# Altium PCB PCB SOM AM625.PcbDoc (part 2 of 6) (continued)
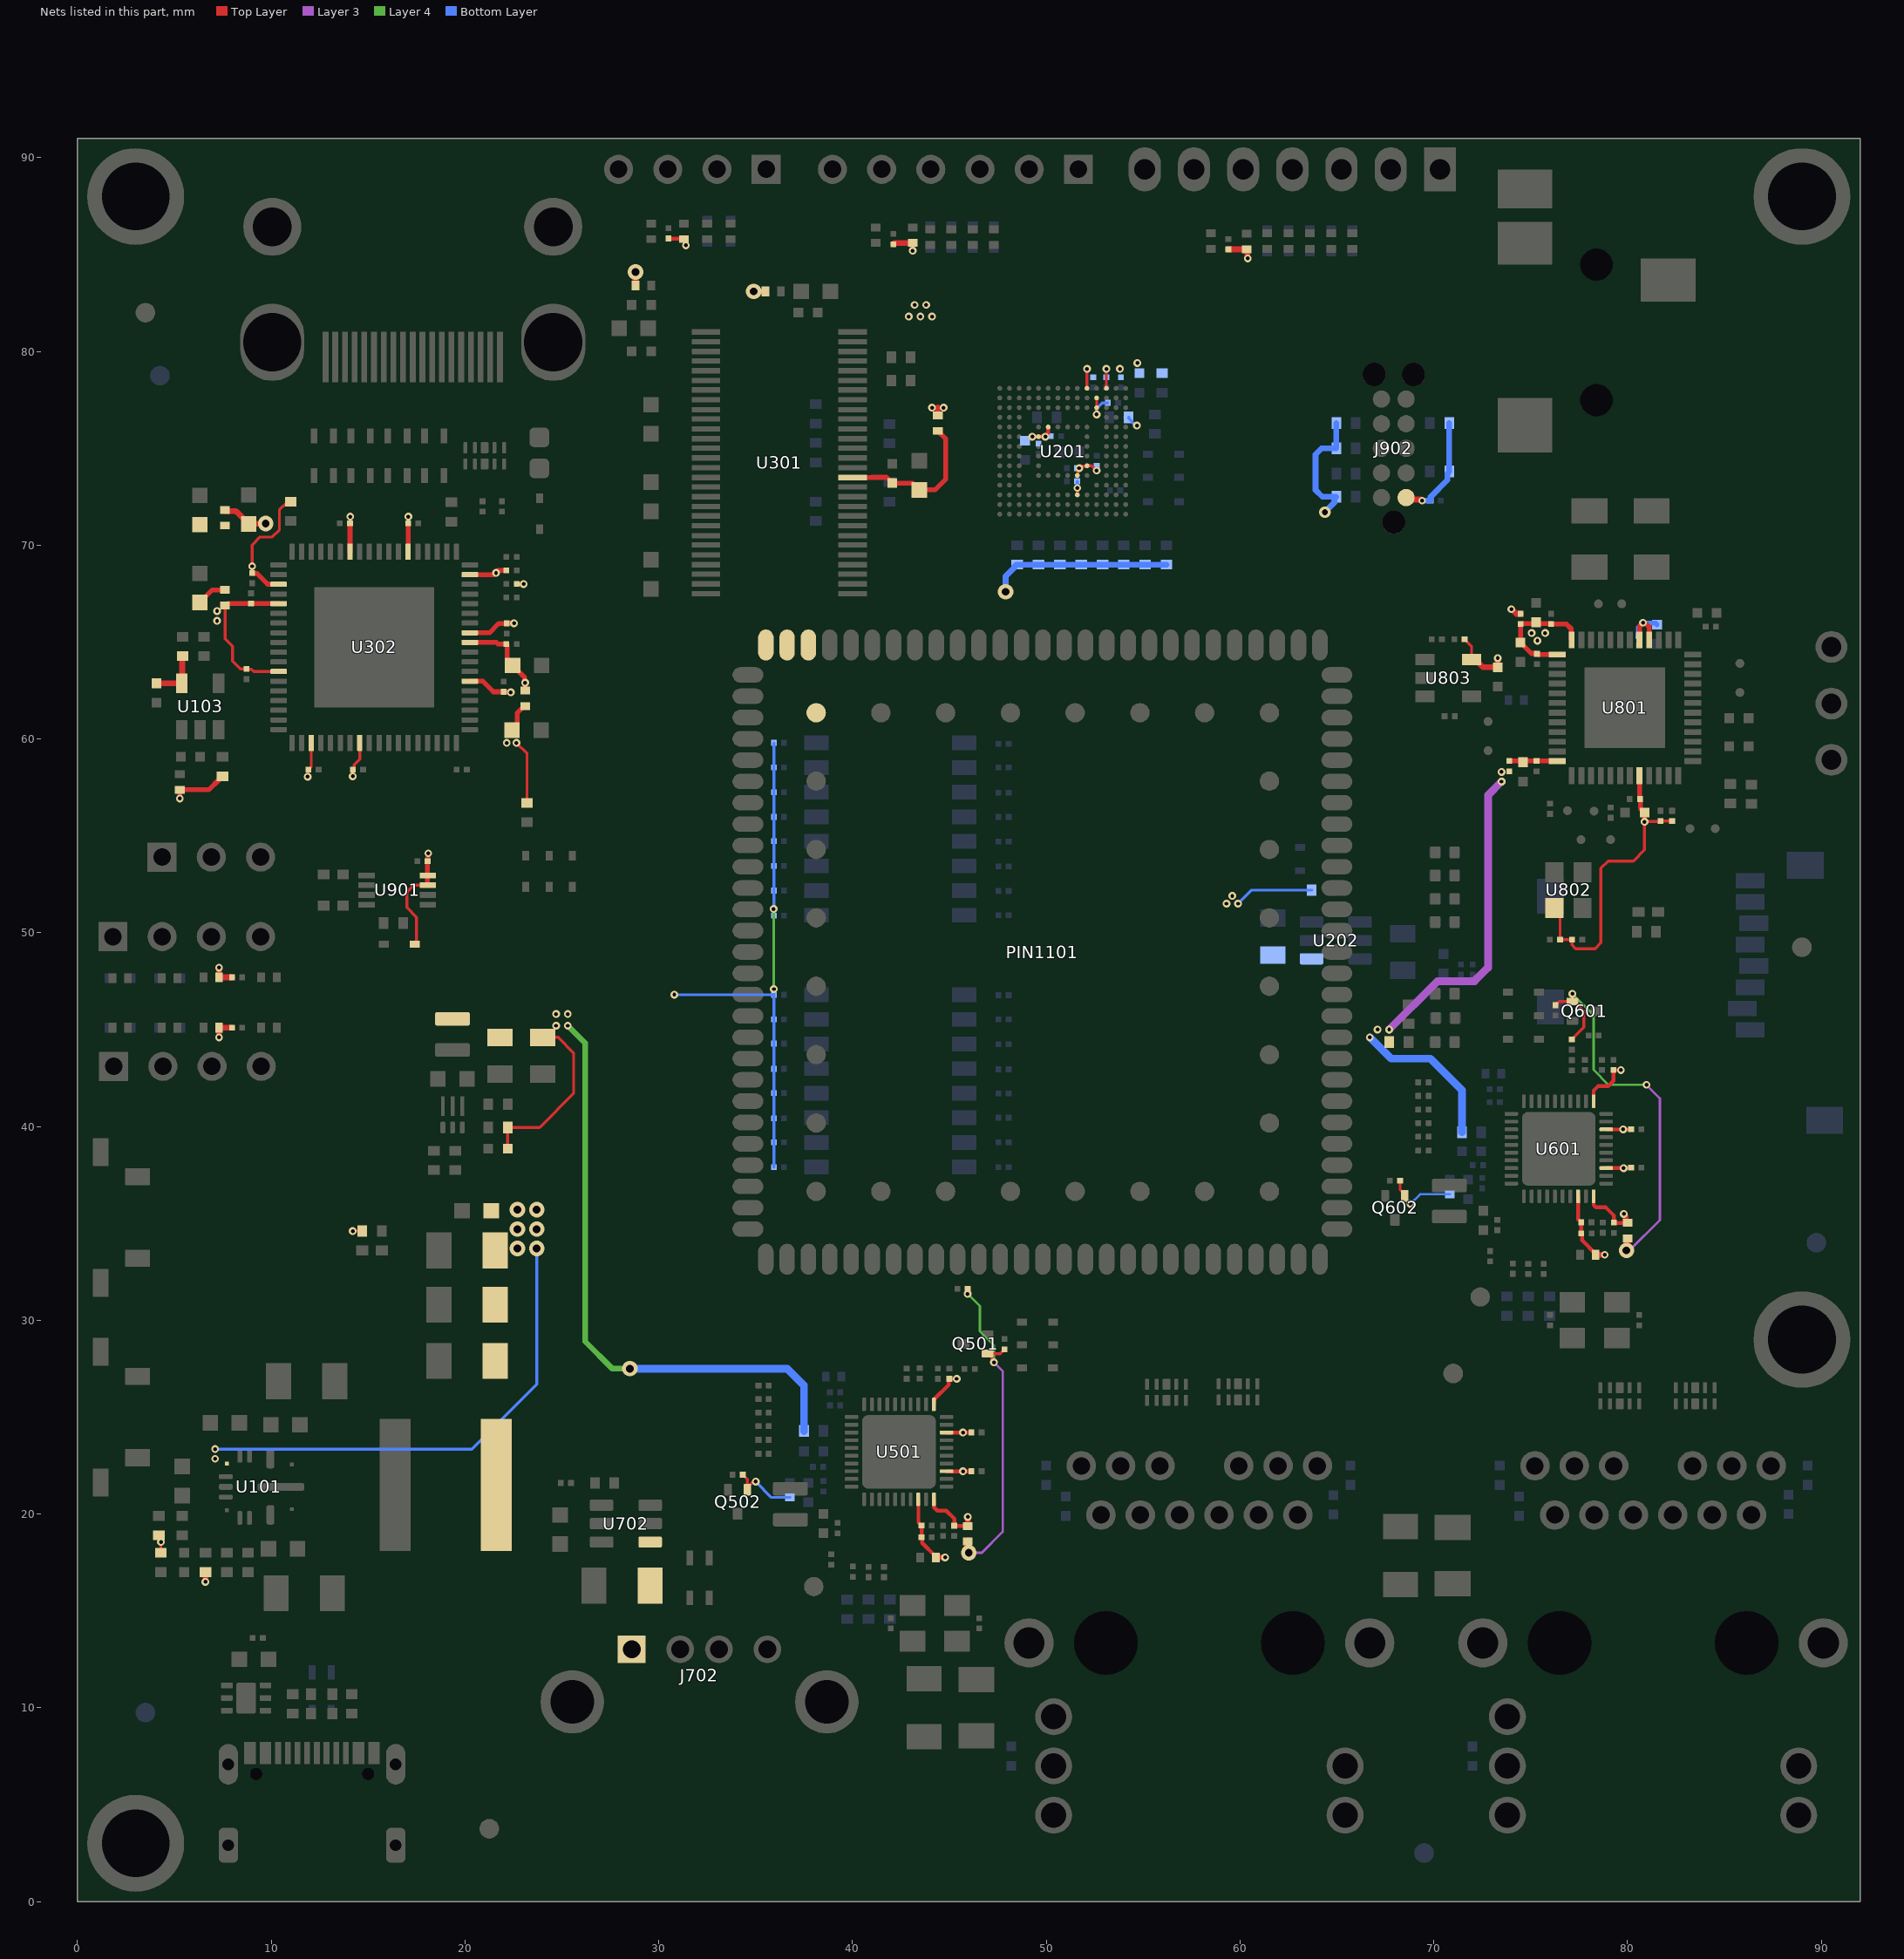
[diagram p6: the nets of this part, all layers, seen from the top]
## Part data (continued)
R520 R521 R524 R525 R620 R621 R624 R625: library part RC0201FR-0710KL, "SMD Chip Resistor, 10 kOhm, ± 1%, 50 mW, 0201 [0603 Metric], Thick Film, General Purpose", Case Code (Imperial)=0201, Case Code (Metric)=0603, Manufacturer=Yageo, Max Operating Temperature=125°C, Max Power Dissipation=50mW, Min Operating Temperature=-55°C, Package Quantity=10000, Resistance=10kR, Resistance Tolerance=1%, Resistor Type="Thick Film", Supplier Part Number 1=4031233, Temperature Coefficient=200ppm/°C, Voltage Rating=25V, Case/Package=0201, Category="Chip SMD Resistors", ComponentLink1Description=https://datasheet.ciiva.com/7660/1421516-7660807.pdf?src-supplier=Element14, ComponentLink1URL=https://datasheet.ciiva.com/7660/1421516-7660807.pdf?src-supplier=Element14, ComponentLink2Description=https://datasheet.ciiva.com/46391/1421516-46391339.pdf?src-supplier=Element14, ComponentLink2URL=https://datasheet.ciiva.com/46391/1421516-46391339.pdf?src-supplier=Element14, ComponentLink3Description=https://datasheet.ciiva.com/2467/pyu-r-int-thick-7-2467110.pdf?src-supplier=Digi-Key, ComponentLink3URL=https://datasheet.ciiva.com/2467/pyu-r-int-thick-7-2467110.pdf?src-supplier=Digi-Key, ComponentLink4Description=https://datasheet.ciiva.com/2467/pyu-r-int-thick-7-2467111.pdf?src-supplier=Digi-Key, ComponentLink4URL=https://datasheet.ciiva.com/2467/pyu-r-int-thick-7-2467111.pdf?src-supplier=Digi-Key, ComponentLink5Description=https://datasheet.ciiva.com/2467/pyu-r-int-thick-7-2467109.pdf?src-supplier=Digi-Key, ComponentLink5URL=https://datasheet.ciiva.com/2467/pyu-r-int-thick-7-2467109.pdf?src-supplier=Digi-Key, ComponentLink6Description=https://datasheet.ciiva.com/26829/getdatasheetpartid-421074-26829851.pdf?src-supplier=Verical, ComponentLink6URL=https://datasheet.ciiva.com/26829/getdatasheetpartid-421074-26829851.pdf?src-supplier=Verical, ComponentLink7Description=https://datasheet.ciiva.com/8891/pyu-rc0201-51-rohs-l-8-8891384.pdf?src-supplier=Avnet, ComponentLink7URL=https://datasheet.ciiva.com/8891/pyu-rc0201-51-rohs-l-8-8891384.pdf?src-supplier=Avnet, Construction=Rectangular, Contact Plating=Tin,Matte, Depth=0.3mm, Features="Moisture Resistant", Height=0.01inch, Length=0.6mm, Manufacturer Part Number=RC0201FR-0710KL, Military Standard=Not, Number of Terminations=2, Packaging="Tape and Reel", Power Rating=50mW, Pricing 1="10000=0.0014, 40000=0.0013, 200000=0.0013, 400000=0.0012, 1250000=0.0011 (USD)", Reach SVHC Compliant=No, RoHS=Yes, RoHS Compliant=Yes, Series=RC, Stock 1=32510000, Supplier 1="Future Electronics", Technology="THICK FILM", Termination=SMD/SMT, Tolerance=1%, Voltage Rating (DC)=25V, Weight=6E-06oz, Width=0.012inch, Working Voltage=25V
R701 R702: library part AC0402FR-075K1L, "SMD Chip Resistor, 5.1 kOhm, ± 1%, 63 mW, 0402 [1005 Metric], Thick Film, General Purpose", Case/Package=0402, Case Code (Metric)=1005, Manufacturer=Yageo, Max Operating Temperature=155°C, Max Power Dissipation=63mW, Min Operating Temperature=-55°C, Resistance=5.1kR, Supplier Part Number 1=8112408, Temperature Coefficient=100ppm/°C, Tolerance=1%, Voltage Rating=50V, Case Code (Imperial)=0402, Category="Chip SMD Resistors", ComponentLink1Description=https://datasheet.octopart.com/AC0402FR-075K1L-Yageo-datasheet-166720450.pdf?src-supplier=Future+Electronics, ComponentLink1URL=https://datasheet.octopart.com/AC0402FR-075K1L-Yageo-datasheet-166720450.pdf?src-supplier=Future+Electronics, ComponentLink2Description=http://www.yageo.com/documents/recent/PYu-AC_51_RoHS_L_2_revised.pdf?src-supplier=Future+Electronics, ComponentLink2URL=http://www.yageo.com/documents/recent/PYu-AC_51_RoHS_L_2_revised.pdf?src-supplier=Future+Electronics, Features="Moisture Resistant,Automotive AEC-Q200", Height=0.015inch, Lead Free=5697LeadFree, Length=0.039inch, Manufacturer Part Number=AC0402FR-075K1L, Mount="Surface Mount", Number of Terminations=2, Packaging="Cut Tape", Power Rating=63mW, Pricing 1="10000=0.0011, 50000=0.001, 200000=0.0009, 500000=0.0009, 1250000=0.0008 (USD)", RoHS=Yes, RoHS Compliant=Yes, Series=AC, Size Code=0402, Stock 1=10000, Supplier 1="Future Electronics", Width=0.02inch
R703: library part RC0402FR-071KL, "SMD Chip Resistor, 1 kOhm, ± 1%, 63 mW, 0402 [1005 Metric], Thick Film, General Purpose", Case/Package=0402, Case Code (Metric)=1005, Manufacturer=Yageo, Max Operating Temperature=155°C, Max Power Dissipation=63mW, Min Operating Temperature=-55°C, Power Rating=62.5mW, Resistance=1kR, Resistance Tolerance=1%, Resistor Type="Thick Film", Supplier Part Number 1=7825607, Temperature Coefficient=100ppm/°C, Voltage Rating=50V, Case Code (Imperial)=0402, Category="Chip SMD Resistors", ComponentLink1Description=https://datasheet.ciiva.com/11819/0900766b80c66297-11819477.pdf?src-supplier=Rs, ComponentLink1URL=https://datasheet.ciiva.com/11819/0900766b80c66297-11819477.pdf?src-supplier=Rs, ComponentLink2Description=https://datasheet.ciiva.com/7983/1018594-7983502.pdf?src-supplier=Element14, ComponentLink2URL=https://datasheet.ciiva.com/7983/1018594-7983502.pdf?src-supplier=Element14, ComponentLink3Description=https://datasheet.ciiva.com/22747/1018594-22747513.pdf?src-supplier=Element14, ComponentLink3URL=https://datasheet.ciiva.com/22747/1018594-22747513.pdf?src-supplier=Element14, ComponentLink4Description=https://datasheet.ciiva.com/12666/pyu-rc0402-51-rohs-l-6-r-12666741.pdf?src-supplier=Mouser, ComponentLink4URL=https://datasheet.ciiva.com/12666/pyu-rc0402-51-rohs-l-6-r-12666741.pdf?src-supplier=Mouser, ComponentLink5Description=https://datasheet.ciiva.com/7849/1018594-7849869.pdf?src-supplier=Element14, ComponentLink5URL=https://datasheet.ciiva.com/7849/1018594-7849869.pdf?src-supplier=Element14, ComponentLink6Description=https://datasheet.ciiva.com/7849/1018594-7849871.pdf?src-supplier=Element14, ComponentLink6URL=https://datasheet.ciiva.com/7849/1018594-7849871.pdf?src-supplier=Element14, ComponentLink7Description=https://datasheet.ciiva.com/17063/pyu-rc0402-51-rohs-l-6-r-17063193.pdf?src-supplier=Future+Electronics, ComponentLink7URL=https://datasheet.ciiva.com/17063/pyu-rc0402-51-rohs-l-6-r-17063193.pdf?src-supplier=Future+Electronics, Construction=Rectangular, Depth=0.5mm, Features="Moisture Resistant", Height=0.32mm, Length=1mm, Manufacturer Part Number=RC0402FR-071KL, Military Standard=Not, Number of Pins=2, Number of Terminations=2, Packaging="Tape and Reel", Pricing 1="10000=0.0008, 50000=0.0008, 250000=0.0007, 500000=0.0007, 1500000=0.0007 (USD)", Reach SVHC Compliant=No, RoHS=Yes, RoHS Compliant=Yes, Series=RC, Size Code=0402, Stock 1=37960000, Supplier 1="Future Electronics", Technology="THICK FILM", Termination=SMD/SMT, Tolerance=1%, Voltage Rating (AC)=50V, Voltage Rating (DC)=50V, Width=0.5mm
R1001: library part RC0402FR-072K2L, "SMD Chip Resistor, 2.2 kOhm, ± 1%, 63 mW, 0402 [1005 Metric], Thick Film, General Purpose", Case Code (Imperial)=0402, Case Code (Metric)=1005, Manufacturer=Yageo, Max Operating Temperature=155°C, Max Power Dissipation=63mW, Min Operating Temperature=-55°C, Power Rating=62.5mW, Resistance=2.2kR, Resistance Tolerance=1%, Resistor Type="Thick Film", Supplier Part Number 1=6626931, Temperature Coefficient=100ppm/°C, Voltage Rating=50V, Case/Package=0402, Category="Chip SMD Resistors", ComponentLink1Description=https://datasheet.ciiva.com/11808/0900766b80c66297-11808786.pdf?src-supplier=Rs, ComponentLink1URL=https://datasheet.ciiva.com/11808/0900766b80c66297-11808786.pdf?src-supplier=Rs, ComponentLink2Description=https://datasheet.ciiva.com/7983/1018594-7983515.pdf?src-supplier=Element14, ComponentLink2URL=https://datasheet.ciiva.com/7983/1018594-7983515.pdf?src-supplier=Element14, ComponentLink3Description=https://datasheet.ciiva.com/46383/1018594-46383563.pdf?src-supplier=Element14, ComponentLink3URL=https://datasheet.ciiva.com/46383/1018594-46383563.pdf?src-supplier=Element14, ComponentLink4Description=https://datasheet.ciiva.com/12577/pyu-rc0402-51-rohs-l-6-r-12577429.pdf?src-supplier=Mouser, ComponentLink4URL=https://datasheet.ciiva.com/12577/pyu-rc0402-51-rohs-l-6-r-12577429.pdf?src-supplier=Mouser, ComponentLink5Description=https://datasheet.ciiva.com/7849/1018594-7849929.pdf?src-supplier=Element14, ComponentLink5URL=https://datasheet.ciiva.com/7849/1018594-7849929.pdf?src-supplier=Element14, ComponentLink6Description=https://datasheet.ciiva.com/7849/1018594-7849928.pdf?src-supplier=Element14, ComponentLink6URL=https://datasheet.ciiva.com/7849/1018594-7849928.pdf?src-supplier=Element14, ComponentLink7Description=https://datasheet.ciiva.com/16741/pyu-rc0402-51-rohs-l-6-r-16741015.pdf?src-supplier=Future+Electronics, ComponentLink7URL=https://datasheet.ciiva.com/16741/pyu-rc0402-51-rohs-l-6-r-16741015.pdf?src-supplier=Future+Electronics, Construction=Rectangular, Depth=0.5mm, Features="Moisture Resistant", Height=0.35mm, Lead Free="Lead Free", Length=1mm, Manufacturer Part Number=RC0402FR-072K2L, Military Standard=Not, Number of Terminations=2, Packaging="Tape and Reel", Pricing 1="10000=0.0008, 50000=0.0008, 250000=0.0007, 500000=0.0007, 1500000=0.0007 (USD)", Reach SVHC Compliant=No, RoHS=Yes, RoHS Compliant=Yes, Series=RC, Size Code=0402, Stock 1=70000, Supplier 1="Future Electronics", Technology="THICK FILM", Termination=SMD/SMT, Tolerance=1%, Voltage Rating (AC)=50V, Weight=2.3E-05oz, Width=0.5mm
R1002: library part RC0402FR-072K2L, "SMD Chip Resistor, 2.2 kOhm, ± 1%, 63 mW, 0402 [1005 Metric], Thick Film, General Purpose", Case/Package=0402, Case Code (Metric)=1005, Manufacturer=Yageo, Max Operating Temperature=155°C, Max Power Dissipation=63mW, Min Operating Temperature=-55°C, Power Rating=62.5mW, Resistance=2.2kR, Resistance Tolerance=1%, Resistor Type="Thick Film", Supplier Part Number 1=6626931, Temperature Coefficient=100ppm/°C, Voltage Rating=50V, Case Code (Imperial)=0402, Category="Chip SMD Resistors", ComponentLink1Description=https://datasheet.ciiva.com/11808/0900766b80c66297-11808786.pdf?src-supplier=Rs, ComponentLink1URL=https://datasheet.ciiva.com/11808/0900766b80c66297-11808786.pdf?src-supplier=Rs, ComponentLink2Description=https://datasheet.ciiva.com/7983/1018594-7983515.pdf?src-supplier=Element14, ComponentLink2URL=https://datasheet.ciiva.com/7983/1018594-7983515.pdf?src-supplier=Element14, ComponentLink3Description=https://datasheet.ciiva.com/46383/1018594-46383563.pdf?src-supplier=Element14, ComponentLink3URL=https://datasheet.ciiva.com/46383/1018594-46383563.pdf?src-supplier=Element14, ComponentLink4Description=https://datasheet.ciiva.com/12577/pyu-rc0402-51-rohs-l-6-r-12577429.pdf?src-supplier=Mouser, ComponentLink4URL=https://datasheet.ciiva.com/12577/pyu-rc0402-51-rohs-l-6-r-12577429.pdf?src-supplier=Mouser, ComponentLink5Description=https://datasheet.ciiva.com/7849/1018594-7849929.pdf?src-supplier=Element14, ComponentLink5URL=https://datasheet.ciiva.com/7849/1018594-7849929.pdf?src-supplier=Element14, ComponentLink6Description=https://datasheet.ciiva.com/7849/1018594-7849928.pdf?src-supplier=Element14, ComponentLink6URL=https://datasheet.ciiva.com/7849/1018594-7849928.pdf?src-supplier=Element14, ComponentLink7Description=https://datasheet.ciiva.com/16741/pyu-rc0402-51-rohs-l-6-r-16741015.pdf?src-supplier=Future+Electronics, ComponentLink7URL=https://datasheet.ciiva.com/16741/pyu-rc0402-51-rohs-l-6-r-16741015.pdf?src-supplier=Future+Electronics, Construction=Rectangular, Depth=0.5mm, Features="Moisture Resistant", Height=0.35mm, Lead Free="Lead Free", Length=1mm, Manufacturer Part Number=RC0402FR-072K2L, Military Standard=Not, Number of Terminations=2, Packaging="Tape and Reel", Pricing 1="10000=0.0008, 50000=0.0008, 250000=0.0007, 500000=0.0007, 1500000=0.0007 (USD)", Reach SVHC Compliant=No, RoHS=Yes, RoHS Compliant=Yes, Series=RC, Size Code=0402, Stock 1=70000, Supplier 1="Future Electronics", Technology="THICK FILM", Termination=SMD/SMT, Tolerance=1%, Voltage Rating (AC)=50V, Weight=2.3E-05oz, Width=0.5mm
SW401 SW402: "Slide Dip Switch, 8 Switches, 8PST, Latched, 0.025A, 24VDC, Solder Terminal, Surface Mount-straight", Manufacturer="Wurth Electronics", Supplier Part Number 1=732-416131160808CT-ND, Category="DIP Switches", ComponentLink1Description=https://datasheet.ciiva.com/2863/4161311608xx-2863767.pdf?src-supplier=Digi-Key, ComponentLink1URL=https://datasheet.ciiva.com/2863/4161311608xx-2863767.pdf?src-supplier=Digi-Key, ComponentLink2Description=https://datasheet.ciiva.com/2863/4161311608xx-2863768.pdf?src-supplier=Digi-Key, ComponentLink2URL=https://datasheet.ciiva.com/2863/4161311608xx-2863768.pdf?src-supplier=Digi-Key, ComponentLink3Description=https://datasheet.ciiva.com/1528/4161311608xx-1528930.pdf?src-supplier=Element14, ComponentLink3URL=https://datasheet.ciiva.com/1528/4161311608xx-1528930.pdf?src-supplier=Element14, ComponentLink4Description=https://datasheet.ciiva.com/1625/4161311608xx-1625347.pdf?src-supplier=Farnell, ComponentLink4URL=https://datasheet.ciiva.com/1625/4161311608xx-1625347.pdf?src-supplier=Farnell, Manufacturer Part Number=416131160808, Pricing 1="1=6.8, 10=6.579, 50=6.233, 100=5.54, 500=5.19402 (USD)", RoHS=Yes, Stock 1=11089, Supplier 1=Digi-Key
SW1001 SW1002: "Switch Tactile N.O. SPST Rectangular Button Gull Wing 0.05A 12VDC 2.55N SMD", Contact Current Rating=50mA, Manufacturer=E-Switch, Supplier Part Number 1=EG4389CT-ND, Category="Tactile Switches", ComponentLink1Description=https://datasheet.ciiva.com/2900/p010951-2900788.pdf?src-supplier=Digikey, ComponentLink1URL=https://datasheet.ciiva.com/2900/p010951-2900788.pdf?src-supplier=Digikey, ComponentLink2Description=https://datasheet.ciiva.com/5284/tl3330-28043-5284129.pdf?src-supplier=Mouser, ComponentLink2URL=https://datasheet.ciiva.com/5284/tl3330-28043-5284129.pdf?src-supplier=Mouser, ComponentLink3Description=https://datasheet.ciiva.com/2900/tl3330-2900789.pdf?src-supplier=Digikey, ComponentLink3URL=https://datasheet.ciiva.com/2900/tl3330-2900789.pdf?src-supplier=Digikey, ComponentLink4Description=https://datasheet.ciiva.com/2900/tl3330-2900790.pdf?src-supplier=Digikey, ComponentLink4URL=https://datasheet.ciiva.com/2900/tl3330-2900790.pdf?src-supplier=Digikey, Height=3.75mm, Manufacturer Part Number=TL3330AF260QG, Number of Positions=2NUMBER, Pricing 1="1=0.51, 10=0.488, 25=0.47, 100=0.4068, 250=0.3706, 500=0.3435, 1000=0.30734 (USD)", RoHS=Yes, Stock 1=112482, Supplier 1=Digikey
TP501 TP601: library part "Test Point", "Test Point", Solder=NF
TP801 TP802 TP803: library part TESTPOINT, "TESTPOINT 1.0MM DRILL PTH", Mfr_Name=LOCAL, Mfr_part_number=TP_40X65, Mistral Part No=130009030938, Package=THRU-HOLE, Chkd/date=MAZHAR/271211, Crtd /date=SHREESHAIL/041005, Datasheet=NA, Distributor_name=NA, Distributor_part_number=NA, Height=NA, Library Ref=TESTPOINT, Part_type=TESTPOINT, PCB Footprint=TP_40X65, Project=HSE
TP804 TP805 TP806 TP807 TP808 TP809 TP810 TP811 TP812 TP813 TP814 TP815: library part TESTPOINT_1, "TESTPOINT CIR 20 SMD", Mfr_Name=LOCAL, Mistral Part No=NA, Package=SMD, Chkd/date=SHREESHAIL/171006, Crtd /date=MAZHAR/171006, Custom_Duty=NA, Customs_HS_Code=NA, Datasheet=NA, Distributor_name=NA, Distributor_part_number=NA, Footprint Path=Y:\MIS_DATABASE\Library\ALTIUM_TOOL\PCB_FOOTPRINTS\Altium_Footprint_Lib.PcbLib, Footprint Ref=TP20_SMD, Height=NA, Library Path=Y:\MIS_DATABASE\Library\ALTIUM_TOOL\SCHEMATICS_PARTS\MS_DISCRETE_Library.schlib, Library Ref=TESTPOINT, MECHANICAL 3D STEP FILE=NA, Mfr_part_number=TP20_SMD, Part_type=TESTPOINT, PCB Footprint=TP20_SMD, Project="BT MODULE_CSRBC04", RoHS=NA, Temperature=NA, Tolerance=NA, VOLTAGE=NA, Wattage=NA, Weight=NA
U101: "Industrial 3-V to 36-V, 6-A, low-noise synchronous step-down converter 14-VQFN-HR -40 to 150", Manufacturer="Texas Instruments", Supplier Part Number 1=595-LMQ61460AASRJRR, Category="Voltage Regulators - Switching", Manufacturer Part Number=LMQ61460AASRJRR, Pricing 1="1=4.4, 10=3.88, 50=3.88, 100=3.24, 1000=2.33, 10000=2.21 (USD)", RoHS=No, Stock 1=4057, Supplier 1=Mouser
U102: "2.5-V to 5.5-V input, 4-A step-down converter with 1% output accuracy in 1.5-mm x 1.5-mm QFN package 6-VSON-HR -40 to...", Manufacturer="Texas Instruments", Supplier Part Number 1=296-TLV62595DMQRCT-ND, Category="Voltage Regulators - Switching", Manufacturer Part Number=TLV62595DMQR, Pricing 1="1=0.87, 10=0.767, 25=0.72, 100=0.5877, 250=0.54592, 500=0.4646, 1000=0.37168 (USD)", RoHS=Yes, Stock 1=8309, Supplier 1=Digi-Key
U103: "Adjustable 500-mA low-dropout (LDO) regulator 5-SOT-23 -40 to 125", Case/Package=SOT-23-5, Dropout Voltage=720mV, Manufacturer="Texas Instruments", Max Input Voltage=6V, Max Operating Temperature=125°C, Max Output Voltage=5.5V, Min Operating Temperature=-40°C, Min Output Voltage=550mV, Min Supply Voltage=1.5V, Nominal Supply Current=25uA, Output Current=500mA, Power Supply Rejection Ratio (PSRR)=30dB, Quiescent Current=35uA, Supplier Part Number 1=595-TLV75801PDBVR, Accuracy=0.7%, Category="Voltage Regulators - Linear", ComponentLink1Description=http://www.ti.com/general/docs/suppproductinfo.tsp?distId=10&amp;gotoUrl=http%3A%2F%2Fwww.ti.com%2Flit%2Fgpn%2Ftlv758p&src-supplier=Digi-Key, ComponentLink1URL=http://www.ti.com/general/docs/suppproductinfo.tsp?distId=10&amp;gotoUrl=http%3A%2F%2Fwww.ti.com%2Flit%2Fgpn%2Ftlv758p&src-supplier=Digi-Key, Height=1.45mm, Length=2.9mm, Manufacturer Part Number=TLV75801PDBVR, Max Supply Voltage=6V, Mount="Surface Mount", Number of Channels=1NUMBER, Number of Outputs=1NUMBER, Number of Pins=5NUMBER, Number of Regulators=1, Output Configuration=Positive, Output Type=Adjustable, Pricing 1="1=0.35, 10=0.261, 50=0.261, 100=0.146, 1000=0.11, 10000=0.088 (USD)", RoHS=Yes, Series=-, Stock 1=49798, Supplier 1=Mouser, Thickness=1.2mm, Width=1.6mm
U201: library part KLMAG1JETD-B041, "eMMC 5.1 BGA-153 eMMC ROHS", ComponentLink1Description=https://datasheet.lcsc.com/lcsc/2007011825_Samsung-KLMAG1JETD-B041_C499919.pdf, ComponentLink1URL=https://datasheet.lcsc.com/lcsc/2007011825_Samsung-KLMAG1JETD-B041_C499919.pdf
U202: "IC SINGLE CHANNEL LOAD SWITCH", Manufacturer="Texas Instruments", Max Supply Voltage=5.5V, Min Supply Voltage=1V, Output Current=2A, Supplier Part Number 1=595-TPS22918DBVR, Category="Power Management ICs", ComponentLink1Description=http://www.ti.com/lit/gpn/tps22918?src-supplier=Mouser, ComponentLink1URL=http://www.ti.com/lit/gpn/tps22918?src-supplier=Mouser, ComponentLink2Description=http://www.ti.com/lit/ds/symlink/tps22918.pdf?src-supplier=Digi-Key, ComponentLink2URL=http://www.ti.com/lit/ds/symlink/tps22918.pdf?src-supplier=Digi-Key, ComponentLink3Description=http://www.ti.com/general/docs/suppproductinfo.tsp?distId=10&amp;gotoUrl=http%3A%2F%2Fwww.ti.com%2Flit%2Fgpn%2Ftps22918&src-supplier=Digi-Key, ComponentLink3URL=http://www.ti.com/general/docs/suppproductinfo.tsp?distId=10&amp;gotoUrl=http%3A%2F%2Fwww.ti.com%2Flit%2Fgpn%2Ftps22918&src-supplier=Digi-Key, Height=1.45mm, Length=2.9mm, Manufacturer Part Number=TPS22918DBVR, Number of Pins=6NUMBER, Pricing 1="1=0.53, 10=0.454, 50=0.454, 100=0.34, 500=0.267, 1000=0.207, 3000=0.197, 10000=0.197 (USD)", RoHS=Yes, Stock 1=70571, Supplier 1=Mouser, Thickness=1.2mm, Width=1.6mm
U301: "0/5 Receiver  LVDS 56-TSSOP", Case/Package=TSSOP, Manufacturer="Texas Instruments", Max Operating Temperature=70°C, Min Operating Temperature=0°C, Operating Supply Voltage=3.3V, Package Quantity=1, Power Dissipation=1.377W, Supplier Part Number 1=595-SN75LVDS82DGGR, Category="Interface ICs", ComponentLink1Description=https://datasheet.ciiva.com/3153/sn75lvds82-3153173.pdf?src-supplier=Avnet, ComponentLink1URL=https://datasheet.ciiva.com/3153/sn75lvds82-3153173.pdf?src-supplier=Avnet, ComponentLink2Description=https://datasheet.ciiva.com/1706/sn75lvds82-1706762.pdf?src-supplier=Digi-Key, ComponentLink2URL=https://datasheet.ciiva.com/1706/sn75lvds82-1706762.pdf?src-supplier=Digi-Key, ComponentLink3Description=https://datasheet.ciiva.com/1706/sn75lvds82-1706763.pdf?src-supplier=Digi-Key, ComponentLink3URL=https://datasheet.ciiva.com/1706/sn75lvds82-1706763.pdf?src-supplier=Digi-Key, ComponentLink4Description=https://datasheet.ciiva.com/1706/sn75lvds82-1706764.pdf?src-supplier=Digi-Key, ComponentLink4URL=https://datasheet.ciiva.com/1706/sn75lvds82-1706764.pdf?src-supplier=Digi-Key, ComponentLink5Description=https://datasheet.ciiva.com/41461/001187617-da-01-en-ic-flatlink-sn75lvds82dggr-tssop-56-tid-41461068.pdf?src-supplier=Conrad, ComponentLink5URL=https://datasheet.ciiva.com/41461/001187617-da-01-en-ic-flatlink-sn75lvds82dggr-tssop-56-tid-41461068.pdf?src-supplier=Conrad, Data Rate=238Mbps, Lead Free="Lead Free", Manufacturer Part Number=SN75LVDS82DGGR, Number of Drivers=28, Number of Elements=4, Number of Pins=56, Number of Receivers=4, Packaging="Tape and Reel", Pricing 1="1=5.58, 10=4.78, 50=4.78, 100=4.11, 1000=2.93, 10000=2.82 (USD)", Radiation Hardening=No, RoHS=Yes, RoHS Compliant=Yes, Series=FlatLink™, Stock 1=10721, Supplier 1=Mouser, Weight=0.008229oz
U302: "24-Bit RGB Input HDMI 1.4a Transmitter, 1080p@60Hz, no HDCP, 72-pin QFN", Manufacturer="Lattice Semiconductor", Manufacturer Part Number=SII9022ACNU, Pricing 1="168=4.497, 504=4.493, 1008=4.489, 2520=4.485, 5040=4.481, 105000=4.477 (USD)", RoHS=No, Stock 1=672, Supplier 1="Arrow Electronics", Supplier Part Number 1=SII9022ACNU
U501 U601: "IC, Interface, Ethernet, RTL8211F-VD-CG, QFN-40(5*5)", Manufacturer=Realtek, Manufacturer PN=RTL8211F-VD-CG, Package Size=QFN-40(5*5), CLASS=IC, Company Part Status=BeagleV-Ahead, Part Reference=U6, PCB Footprint=qfn40_0D4_5x5mm, PN=310991199
U701: "Diode TVS Single Uni-Dir 5V 400W 6-Pin WSON EP T/R", Manufacturer="Texas Instruments", Max Operating Temperature=125°C, Min Breakdown Voltage=7.5V, Min Operating Temperature=-40°C, Peak Pulse Current=43A, Peak Pulse Power=400W, Power Line Protection=No, Reverse Standoff Voltage=5V, Supplier Part Number 1=595-TVS0500DRVR, Category="TVS Diodes", ComponentLink1Description=http://www.ti.com/lit/ds/symlink/tvs0500.pdf?src-supplier=Digi-Key, ComponentLink1URL=http://www.ti.com/lit/ds/symlink/tvs0500.pdf?src-supplier=Digi-Key, ComponentLink2Description=http://www.ti.com/lit/ds/symlink/tvs0500.pdf?src-supplier=Farnell, ComponentLink2URL=http://www.ti.com/lit/ds/symlink/tvs0500.pdf?src-supplier=Farnell, Diode Type=ZENER, Manufacturer Part Number=TVS0500DRVR, Mount="Surface Mount", Number of Channels=1, Number of Unidirectional Channels=1, Packaging="Cut Tape", Pricing 1="1=0.62, 10=0.533, 50=0.533, 100=0.371, 500=0.29, 1000=0.235, 3000=0.195, 9000=0.19, 10000=0.19, 24000=0.18 (USD)", RoHS=Yes, RoHS Compliant=Yes, Series=-, Stock 1=8389, Supplier 1=Mouser
U702: "Current-limit switch and D+/D– ESD protection for USB Host ports 6-SOT-23 -40 to 85", Manufacturer="Texas Instruments", Supplier Part Number 1=595-TPD3S014DBVR, Category="Integrated Circuits (ICs)", ComponentLink1Description=http://www.ti.com/lit/gpn/tpd3s014?src-supplier=Mouser, ComponentLink1URL=http://www.ti.com/lit/gpn/tpd3s014?src-supplier=Mouser, ComponentLink2Description=http://www.ti.com/general/docs/lit/getliterature.tsp?genericPartNumber=TPD3S014&&fileType=pdf&src-supplier=Element14, ComponentLink2URL=http://www.ti.com/general/docs/lit/getliterature.tsp?genericPartNumber=TPD3S014&&fileType=pdf&src-supplier=Element14, ComponentLink3Description=http://www.ti.com/lit/ds/symlink/tpd3s014.pdf?src-supplier=Digi-Key, ComponentLink3URL=http://www.ti.com/lit/ds/symlink/tpd3s014.pdf?src-supplier=Digi-Key, ComponentLink4Description=http://www.ti.com/general/docs/lit/getliterature.tsp?genericPartNumber=TPD3S044&&fileType=pdf&src-supplier=Avnet, ComponentLink4URL=http://www.ti.com/general/docs/lit/getliterature.tsp?genericPartNumber=TPD3S044&&fileType=pdf&src-supplier=Avnet, ComponentLink5Description=http://www.ti.com/general/docs/lit/getliterature.tsp?genericPartNumber=TPD3S014&&fileType=pdf&src-supplier=Farnell, ComponentLink5URL=http://www.ti.com/general/docs/lit/getliterature.tsp?genericPartNumber=TPD3S014&&fileType=pdf&src-supplier=Farnell, Manufacturer Part Number=TPD3S014DBVR, Pricing 1="1=1.13, 10=0.924, 50=0.924, 100=0.719, 1000=0.497, 10000=0.424 (USD)", RoHS=Yes, Stock 1=21420, Supplier 1=Mouser
U801: library part TLV320AIC3204IRHBR, "Very-Low-Power Stereo Audio CODEC With PowerTune Technology 32-VQFN -40 to 85", Manufacturer="Texas Instruments", Supplier Part Number 1=595-V320AIC3204IRHBR, Category="Amplifiers - Audio", ComponentLink1Description=https://datasheet.ciiva.com/1148/tlv320aic3204-1148166.pdf?src-supplier=Newark, ComponentLink1URL=https://datasheet.ciiva.com/1148/tlv320aic3204-1148166.pdf?src-supplier=Newark, ComponentLink2Description=https://datasheet.ciiva.com/1141/1764454-1141057.pdf?src-supplier=Element14, ComponentLink2URL=https://datasheet.ciiva.com/1141/1764454-1141057.pdf?src-supplier=Element14, ComponentLink3Description=https://datasheet.ciiva.com/26913/getdatasheetpartid-301856-26913275.pdf?src-supplier=Verical, ComponentLink3URL=https://datasheet.ciiva.com/26913/getdatasheetpartid-301856-26913275.pdf?src-supplier=Verical, ComponentLink4Description=https://datasheet.ciiva.com/28421/1887548-28421445.pdf?src-supplier=Element14, ComponentLink4URL=https://datasheet.ciiva.com/28421/1887548-28421445.pdf?src-supplier=Element14, ComponentLink5Description=https://datasheet.ciiva.com/1691/tlv320aic3204-1691483.pdf?src-supplier=Digi-Key, ComponentLink5URL=https://datasheet.ciiva.com/1691/tlv320aic3204-1691483.pdf?src-supplier=Digi-Key, ComponentLink6Description=https://datasheet.ciiva.com/1691/tlv320aic3204-1691484.pdf?src-supplier=Digi-Key, ComponentLink6URL=https://datasheet.ciiva.com/1691/tlv320aic3204-1691484.pdf?src-supplier=Digi-Key, ComponentLink7Description=https://datasheet.ciiva.com/1691/tlv320aic3204-1691485.pdf?src-supplier=Digi-Key, ComponentLink7URL=https://datasheet.ciiva.com/1691/tlv320aic3204-1691485.pdf?src-supplier=Digi-Key, Manufacturer Part Number=TLV320AIC3204IRHBR, Pricing 1="1=4.76, 10=4.28, 50=4.28, 100=3.5, 1000=2.51, 10000=2.39 (USD)", RoHS=Yes, Stock 1=4883, Supplier 1=Mouser
U802: library part "XTAL OSC XO 12.2880MHZ CMOS SMD", "12.288 MHz XO (Standard) CMOS Oscillator 1.71V ~ 3.63V Standby (Power Down) 4-SMD, No Lead", Manufacturer="Kyocera AVX", Manufacturer Part Number=KC2520Z12.2880C1KX00, Supplier Part Number 1=478-KC2520Z12.2880C1KX00CT-ND, Pricing 1="1=1.21, 10=1.066, 50=0.9966, 100=0.8806, 500=0.8343, 1000=0.69525 (USD)", RoHS=No, Stock 1=9396, Supplier 1=Digikey
U803: "Single 2-input, 1.65-V to 5.5-V AND gate 5-SOT-23 -40 to 125", Case/Package=SOT-23-5, High Level Output Current=-32mA, Low Level Output Current=32mA, Manufacturer="Texas Instruments", Max Operating Temperature=125°C, Max Supply Voltage=5.5V, Min Operating Temperature=-40°C, Min Supply Voltage=1.65V, Package Quantity=3000, Quiescent Current=10uA, Supplier Part Number 1=595-SN74LVC1G08DBRE4, Category="Logic Gates", ComponentLink1Description=https://datasheet.ciiva.com/18572/sn74lvc1g08-18572331.pdf?src-supplier=Digi-Key, ComponentLink1URL=https://datasheet.ciiva.com/18572/sn74lvc1g08-18572331.pdf?src-supplier=Digi-Key, ComponentLink2Description=https://datasheet.ciiva.com/18572/sn74lvc1g08-18572330.pdf?src-supplier=Digi-Key, ComponentLink2URL=https://datasheet.ciiva.com/18572/sn74lvc1g08-18572330.pdf?src-supplier=Digi-Key, ComponentLink3Description=https://datasheet.ciiva.com/18572/sn74lvc1g08-18572332.pdf?src-supplier=Digi-Key, ComponentLink3URL=https://datasheet.ciiva.com/18572/sn74lvc1g08-18572332.pdf?src-supplier=Digi-Key, ComponentLink4Description=https://datasheet.ciiva.com/4818/sces217y-471056-4818205.pdf?src-supplier=Mouser, ComponentLink4URL=https://datasheet.ciiva.com/4818/sces217y-471056-4818205.pdf?src-supplier=Mouser, ComponentLink5Description=https://datasheet.ciiva.com/14312/sn74lvc1g08-14312069.pdf?src-supplier=Avnet, ComponentLink5URL=https://datasheet.ciiva.com/14312/sn74lvc1g08-14312069.pdf?src-supplier=Avnet, ComponentLink6Description=https://datasheet.ciiva.com/15221/getdatasheetpartid-394152-15221709.pdf?src-supplier=Verical, ComponentLink6URL=https://datasheet.ciiva.com/15221/getdatasheetpartid-394152-15221709.pdf?src-supplier=Verical, Lead Free="Lead Free", Logic Function="AND GATE", Manufacturer Part Number=SN74LVC1G08DBVRE4, Mount="Surface Mount", Number of Bits=1, Number of Circuits=1, Number of Elements=1, Number of Gates=1, Number of Input Lines=2, Number of Inputs=2, Number of Output Lines=1, Number of Outputs=1, Number of Pins=5, Output Current=32mA, Packaging="Tape and Reel", Pricing 1="1=0.41, 10=0.317, 50=0.317, 100=0.197, 1000=0.128, 10000=0.102 (USD)", Propagation Delay=4ns, Radiation Hardening=No, Reach SVHC Compliant=No, RoHS=Yes, RoHS Compliant=Yes, Series=74LVC, Stock 1=9321, Supplier 1=Mouser, Technology=CMOS, Turn-On Delay Time=4.5ns, Weight=0.000557oz
U901: "Buffer, Non-Inverting 2 Element 1 Bit per Element Push-Pull Output US8", Manufacturer="Texas Instruments", Supplier Part Number 1=595-SN74LVC2G241DCUR, Category="Buffers, Drivers and Transceivers", ComponentLink1Description=https://datasheet.ciiva.com/15095/getdatasheetpartid-196853-15095029.pdf?src-supplier=Verical, ComponentLink1URL=https://datasheet.ciiva.com/15095/getdatasheetpartid-196853-15095029.pdf?src-supplier=Verical, ComponentLink2Description=https://datasheet.ciiva.com/1833/sn74lvc2g241-1833955.pdf?src-supplier=Digi-Key, ComponentLink2URL=https://datasheet.ciiva.com/1833/sn74lvc2g241-1833955.pdf?src-supplier=Digi-Key, ComponentLink3Description=https://datasheet.ciiva.com/1833/sn74lvc2g241-1833956.pdf?src-supplier=Digi-Key, ComponentLink3URL=https://datasheet.ciiva.com/1833/sn74lvc2g241-1833956.pdf?src-supplier=Digi-Key, ComponentLink4Description=https://datasheet.ciiva.com/1833/sn74lvc2g241-1833957.pdf?src-supplier=Digi-Key, ComponentLink4URL=https://datasheet.ciiva.com/1833/sn74lvc2g241-1833957.pdf?src-supplier=Digi-Key, ComponentLink5Description=https://datasheet.ciiva.com/48702/001073977-da-01-en-ic-buff-dvr-tr-sn74lvc2g241dcur-us-8-tid-48702679.pdf?src-supplier=Conrad, ComponentLink5URL=https://datasheet.ciiva.com/48702/001073977-da-01-en-ic-buff-dvr-tr-sn74lvc2g241dcur-us-8-tid-48702679.pdf?src-supplier=Conrad, Manufacturer Part Number=SN74LVC2G241DCUR, Pricing 1="1=0.57, 10=0.473, 50=0.473, 100=0.355, 1000=0.23, 10000=0.182 (USD)", RoHS=Yes, Stock 1=7164, Supplier 1=Mouser
Y501 Y601: library part LFXTAL055299, "Crystal, 25MHZ, 18PF, SMD", Manufacturer=IQD, Supplier Part Number 1=1923-LFXTAL055299CT-ND, ComponentLink1Description=https://datasheet.ciiva.com/46419/1853066-46419804.pdf?src-supplier=Element14, ComponentLink1URL=https://datasheet.ciiva.com/46419/1853066-46419804.pdf?src-supplier=Element14, Manufacturer Part Number=LFXTAL055299, Pricing 1="1=0.75, 10=0.66, 50=0.6168, 100=0.545, 500=0.51632, 1000=0.43026 (USD)", RoHS=Yes, Stock 1=46105, Supplier 1=Digi-Key

## Via types
v1: diameter 0.4, hole 0.2, Top Layer to Bottom Layer, tented both sides, 695 vias
v2: diameter 0.8, hole 0.4, Top Layer to Bottom Layer, tented both sides, 40 vias
v3: diameter 0.6, hole 0.3, Top Layer to Bottom Layer, tented both sides, 3 vias

## Nets (pads, with @x,y where several pads share a name; then routed paths per layer and width w, separated by ;. In a path a pad name is that pad's centre, name@x,y a point inside that pad or via, vN(x,y) a via of type N, cw(c..) or ccw(c..) an arc to the next point about the centre after c; other vN are vias at no path point)
+1V2_HDMI_AVCC: C319.1 C320.1 C321.1 FB305.2 U302.60 U302.66 | length 6
  Top Layer w0.15: C321.1@14.065,71.125 14.07,71.13 14.07,71.47 v1(14.075,71.475) ; C320.1@17.06,71.125 17.067,71.133 17.067,71.467 v1(17.075,71.475)
  Top Layer w0.25: U302.66@14.06,69.666 14.063,69.668 14.063,71.123 C321.1@14.065,71.125 ; U302.60@17.06,69.666 C320.1@17.06,71.125
  Top Layer w0.3: FB305.2@7.61,71.816 7.66,71.766 8.16,71.766 C319.1@8.835,71.091 8.848,71.103 9.698,71.103 v2(9.71,71.116)
+1V2_HDMI_CVCC: C312.1 C313.1 C314.1 C315.1 C316.1 C317.1 FB304.2 U302.5 U302.12 U302.26 U302.42 U302.47 U302.53 | length 17.1
  Top Layer w0.15: FB304.2@7.66,66.891 FB304.2@7.61,66.891 7.61,65.165 8,64.775 8,64.025 8.41,63.615 C316.1@8.725,63.615 8.74,63.6 8.975,63.6 9.094,63.481 U302.12@10.375,63.481 ; v1(14.2,58.075) 14.205,58.08 14.205,58.42 14.278,58.493 14.278,58.675 14.56,58.957 U302.26@14.56,59.796 ; C313.1@22.15,65.965 C313.1@22.155,65.97 ; v1@22.52,65.97 v1(22.525,65.975)
  Top Layer w0.25: FB304.2@7.66,66.891 7.76,66.99 C317.1@8.955,66.99 8.96,66.985 10.371,66.985 U302.5@10.375,66.981 ; U302.42@20.245,62.981 20.919,62.981 21.465,62.435 C314.1@22,62.435 22.015,62.42 22.344,62.42 v1(22.359,62.405) ; U302.47@20.245,65.481 21.256,65.481 21.74,65.965 C313.1@22.15,65.965 ; U302.53@20.245,68.481 21.481,68.481 21.7,68.7 C312.1@22.135,68.7 ; C313.1@22.155,65.97 v1@22.52,65.97
  other v1: 7.2,66.1 7.2,66.6 21.6,68.575
+5V_USB_A: C704.1 J702.1 U702.4
+AVDD1_1_GBE: C509.1 C510.1 C511.1 C512.1 FB502.1 U501.3 U501.8 U501.38 | length 6.4
  Top Layer w0.2: U501.38@43.4,20.75 43.4,19.563 43.563,19.4 43.563,18.8 43.594,18.77 43.594,18.506 44.3,17.8 FB502.1@44.3,17.75 ; U501.3@44.85,22.2 C510.1@46.135,22.2 ; U501.8@44.85,24.2 C511.1@46.135,24.2
  Top Layer w0.3: FB502.1@44.3,17.76 v1(44.775,17.76)
  other v1: 45.7,22.2 45.7,24.2
+AVDD1_2_GBE: C507.1 C508.1 FB504.1 U501.11 U501.40 | length 5.3
  Top Layer w0.15: C508.1@44.995,26.975 v1(45.375,26.975)
  Top Layer w0.2: U501.11@44.195,25.655 44.195,25.905 44.205,25.905 44.973,26.673 44.973,26.953 C508.1@44.995,26.975 ; U501.40@44.2,20.75 44.2,20.351 44.376,20.175 44.825,20.175 45.25,19.75 45.25,19.387 45.256,19.381 45.944,19.381 FB504.1@45.95,19.375
  Top Layer w0.3: FB504.1@45.949,19.376 v1(45.949,19.851)
+AVDD2_1_GBE: C609.1 C610.1 C611.1 C612.1 FB602.1 U601.3 U601.8 U601.38 | length 6.4
  Top Layer w0.2: U601.38@77.455,36.395 77.455,35.208 77.618,35.045 77.618,34.445 77.649,34.415 77.649,34.126 78.35,33.425 FB602.1@78.35,33.375 ; U601.3@78.905,37.845 C610.1@80.19,37.845 ; U601.8@78.905,39.845 C611.1@80.19,39.845
  Top Layer w0.3: FB602.1@78.35,33.375 v1(78.825,33.375)
  other v1: 79.8,37.85 79.775,39.85
+AVDD2_2_GBE: C607.1 C608.1 FB604.1 U601.11 U601.40 | length 6.1
  Top Layer w0.15: C608.1@79.275,42.91 v1(79.655,42.91)
  Top Layer w0.2: U601.11@78.25,41.3 78.25,41.85 78.475,42.075 79,42.075 79.275,42.35 C608.1@79.275,42.91 ; U601.40@78.25,36.4 78.25,35.937 78.367,35.82 78.88,35.82 79.305,35.395 79.305,35.032 79.311,35.026 FB604.1@79.999,35.026
  Top Layer w0.3: v1(79.809,35.486) 79.809,35.459 79.9,35.368 79.9,35.075 79.949,35.026 FB604.1@79.999,35.026
+VDD_1V2: C117.1 C311.1 C318.1 FB304.1 FB305.1 R112.2 U103.5 | length 4.3
  Top Layer w0.25: C311.1@6.31,67.041 6.96,67.691 FB304.1@7.61,67.691
  Top Layer w0.3: C117.1@4.075,62.875 U103.5@5.375,62.875 5.4,62.9 5.4,64.25 R112.2@5.425,64.275
+VDD_1V8: C113.2 C114.2 C115.2 C206.1 C207.1 C208.1 C209.1 C210.1 C211.1 L102.2 R109.2 R201.2 R202.2 R203.2 R204.2 R205.2 R206.2 R207.2 R208.2 R209.2 R216.1 R501.2 R601.2 R802.1 U201.C6 U201.M4 U201.N4 U201.P3 U201.P5 | length 78.8
  Top Layer w0.15: C113.2@22.2,38.85 R109.2@22.2,39.95 23.85,39.95 25.6,41.7 25.6,43.8 24.8,44.6 C115.2@24,44.6 ; U201.C6@51.6,72.6 v1(51.6,72.95) ; U201.P5@52.1,78.1 v1(52.1,79.1) ; v1(52.6,76.75) U201.M4@52.6,77.1 U201.N4@52.6,77.6 ; U201.P3@53.1,78.1 v1(53.1,79.1)
  Layer 3 w0.4: v1(67.7,45) 70.2,47.5 72.1,47.5 72.8,48.2 72.8,57.1 v1(73.5,57.8)
  Layer 4 w0.3: v1(25.3,45.2) 26.2,44.3 26.2,28.9 27.6,27.5 v2(28.5,27.5)
  Bottom Layer w0.15: C210.1@51.59,73.3 51.595,73.295 51.595,72.955 v1(51.6,72.95) ; v1@52.601,76.751 52.601,77.051 52.888,77.338 53.163,77.338 C208.1@53.175,77.35
  Bottom Layer w0.3: v2(47.9,67.6) 47.9,68.4 48.35,68.85 48.35,68.9 48.45,69 R201.2@48.5,69 R202.2@49.6,69 R206.2@50.7,69 R203.2@51.8,69 R207.2@52.9,69 R208.2@54,69 R204.2@55.1,69 R205.2@56.2,69
  Bottom Layer w0.4: v2(28.5,27.5) 36.625,27.5 37.495,26.63 R501.2@37.495,24.28 ; v1(66.7,44.6) 67.8,43.5 69.825,43.5 71.45,41.875 R601.2@71.45,39.7
  other v1: 67.1,45 24.7,45.2 24.7,45.8 25.3,45.8 73.5,58.3 53.8,79.1 54.7,79.4
+VDD_1V8_AUD: C803.1 C804.1 R802.2 U801.36 | length 2.5
  Top Layer w0.25: R802.2@73.9,58.865 73.904,58.861 76.364,58.861 U801.36@76.369,58.856
+VDD_3V3: C106.2 C107.2 C108.2 C109.2 C201.1 C202.1 C203.1 C204.1 C205.1 C213.1 C322.1 C901.1 C902.1 C903.1 C904.1 C905.1 C906.1 C907.1 D905.1 FB101.1 FB301.1 FB302.1 FB303.1 FB306.2 FB501.1 FB504.2 FB601.1 FB604.2 FB903.2 FB907.2 FB911.2 FB922.2 FB923.2 J902.1 L101.2 PIN1101.55 PIN1101.56 PIN1101.57 PIN1101.116 Q501.1 Q502.1 Q601.1 Q602.1 R101.2 R102.2 R103.2 R111.2 R210.2 R214.2 R315.2 R401.2 R402.2 R403.2 R404.2 R405.2 R406.2 R407.2 R408.2 R409.2 R410.2 R411.2 R412.2 R413.2 R414.2 R415.2 R416.2 R502.2 R520.2 R524.2 R602.2 R620.2 R624.2 R801.1 R901.2 R902.2 R903.2 R904.2 R905.2 R1002.2 U101.1 U201.E6 U201.F5 U201.J10 U201.K9 U202.1 U901.7 U901.8 | length 141.8
  Top Layer w0.08: Q602.1@68.5,36.42 68.5,36.315 68.789,36.026 v1(68.789,36)
  Top Layer w0.15: R102.2@4.3,18.1 v1(4.3,18.55) R103.2@4.3,19 ; v1(14.2,34.6) R1002.2@14.7,34.6 ; D905.1@17.5,49.4 17.5,50.8 17,51.3 17,52.1 17.35,52.45 U901.7@18.076,52.45 ; v1(22.65,59.8) 23.2,59.25 R315.2@23.2,56.7 ; R520.2@34.34,22.025 34.575,21.79 Q502.1@34.575,21.355 ; Q502.1@34.575,21.245 Q502.1@34.575,21.355 ; v1(35,21.67) 34.952,21.622 34.842,21.622 Q502.1@34.575,21.355 ; Q501.1@46.965,28.28 47.065,28.28 Q501.1@47.07,28.275 ; v1(47.3,27.825) 47.3,27.893 47.19,28.003 47.19,28.155 Q501.1@47.07,28.275 ; R524.2@47.85,28.495 47.63,28.275 Q501.1@47.07,28.275 ; U201.E6@51.6,73.6 51.619,73.619 51.619,73.826 51.7,73.907 v1(51.7,73.975) 51.806,74.081 52.081,74.081 U201.F5@52.1,74.1 52.35,74.1 v1(52.6,73.85) ; R620.2@68.265,37.2 68.265,36.733 68.353,36.645 68.375,36.645 68.5,36.52 Q602.1@68.5,36.42 ; R624.2@76.275,46.255 76.47,46.45 Q601.1@77.155,46.45 ; R602.2@77.125,44.49 77.75,45.115 77.75,45.955 77.255,46.45 Q601.1@77.155,46.45 ; v1(77.155,46.845) Q601.1@77.155,46.45
  Top Layer w0.2: C905.1@30.5,85.835 30.517,85.817 31.282,85.817 FB911.2@31.3,85.8 ; v1(49.275,75.6) v1(49.95,75.6) 49.95,75.654 50.09,75.795 50.09,76.09 U201.K9@50.1,76.1
  Top Layer w0.25: v1(5.275,56.925) FB101.1@5.275,57.375 6.773,57.375 7.3,57.902 7.3,57.95 7.425,58.075 R111.2@7.475,58.075 ; U901.7@18.076,52.45 18.065,52.461 C904.1@18.065,53.7 18.083,53.718 18.083,54.083 v1(18.1,54.1) ; C322.1@22.425,60.45 22.7,60.725 22.7,61.35 23.05,61.7 FB306.2@23.1,61.7
  Top Layer w0.3: v1(6.6,16.5) R101.2@6.6,17 ; v1(7.3,44.6) FB907.2@7.3,45.1 C903.1@7.97,45.1 ; v1(7.3,48.2) FB903.2@7.3,47.7 C902.1@7.97,47.7 ; FB301.1@28.8,83.4 v2(28.8,84.1) ; v2(34.9,83.1) FB303.1@35.5,83.1 ; C906.1@42.1,85.535 42.165,85.6 FB922.2@43.1,85.6 v1(43.1,85.2) ; FB302.1@44.4,76.7 44.4,77.1 ; C907.1@59.4,85.27 60.345,85.27 FB923.2@60.35,85.275 60.381,85.244 60.381,84.819 v1(60.4,84.8) ; J902.1@68.57,72.46 68.672,72.358 69.314,72.358 69.373,72.3 v1(69.4,72.3) ; v1(74,66.7) 74.027,66.7 74.262,66.465 R801.1@74.475,66.465
  Top Layer w0.4: FB504.2@45.945,18.58 45.972,18.58 45.972,18.028 v2(46,18) ; v2(79.946,33.602) 79.973,33.629 79.973,34.225 FB604.2@80,34.225
  Layer 3 w0.122: v2(46,18) 46.675,18 47.75,19.075 47.75,27.375 v1(47.3,27.825) ; v2(79.946,33.602) 80.102,33.602 81.675,35.175 81.675,41.45 v1(80.975,42.15)
  Layer 4 w0.122: v1(35.925,51.225) 35.935,51.215 v1(35.935,47.09) ; v1(45.94,31.36) 46.575,30.725 46.575,29.425 47.3,28.7 v1(47.3,27.825) ; v1(77.155,46.845) 78.25,45.75 78.25,42.925 79.025,42.15 v1(80.975,42.15)
  Bottom Layer w0.122: v1(68.789,36) 69.289,36.5 FB601.1@70.825,36.5
  Bottom Layer w0.15: v1(7.1,23.35) 20.35,23.35 23.7,26.7 v2(23.7,33.7) ; v1(30.8,46.8) R409.2@35.935,46.8 ; v1(35,21.67) 35.815,20.855 FB501.1@36.77,20.855 ; R416.2@35.935,37.9 R415.2@35.935,39.175 35.935,39.65 R413.2@35.935,41.725 R412.2@35.935,42.975 R411.2@35.935,44.275 R410.2@35.935,45.525 R409.2@35.935,46.8 ; v1(35.935,47.09) R409.2@35.935,46.8 ; v1@35.935,51.225 R407.2@35.935,52.175 R406.2@35.935,53.45 R405.2@35.935,54.725 R404.2@35.935,55.975 R403.2@35.935,57.25 R402.2@35.935,58.525 R401.2@35.935,59.8 ; R210.2@54.25,76.6 54.25,76.55 54.625,76.175 v1(54.675,76.175) ; v1(59.9,51.5) 60.6,52.2 R214.2@63.7,52.2
  Bottom Layer w0.3: v3(64.375,71.7) 64.87,72.195 64.87,72.4 R904.2@64.97,72.5 64.245,72.5 63.9,72.845 63.9,74.687 64.213,75 R903.2@64.97,75 R905.2@64.97,76.3 ; v1(69.4,72.3) C901.1@69.835,72.3 69.835,72.497 70.7,73.362 70.7,73.7 R902.2@70.8,73.8 R901.2@70.8,76.3
  other v1: 7.1,22.85 59.3,51.5 59.6,51.9 22.15,59.8 44.1,77.1 44.7,77.1 42.9,81.8 43.5,81.8 44.1,81.8 43.2,82.4 43.8,82.4 31.398,85.477
  other v2: 22.7,33.7 22.7,34.7 23.7,34.7 22.7,35.7 23.7,35.7
+VDD_3V3_AUD: C801.1 C802.1 C805.1 C806.1 C807.1 C808.1 C809.1 C810.1 C818.2 C819.1 R801.2 R807.2 R809.2 R810.2 R811.2 U801.16 U801.17 U801.24 U801.25 U801.44 U802.4 U803.5 | length 29.5
  Top Layer w0.15: R811.2@71.59,65.15 71.95,64.79 U803.5@71.95,64.1 ; U802.4@76.225,51.275 76.515,50.985 C818.2@76.515,49.65 R807.2@77.135,49.65 77.137,49.648 77.137,49.363 77.325,49.175 78.325,49.175 78.625,49.475 78.625,53.325 79,53.7 80.3,53.7 80.875,54.275 v1(80.875,55.725) 80.892,55.742 81.682,55.742 R809.2@81.7,55.76 R810.2@82.3,55.76
  Top Layer w0.25: U801.25@76.369,64.357 75.358,64.357 C810.1@75.325,64.39 75.3,64.415 75.035,64.415 C809.1@74.475,64.975 R801.2@74.475,65.935 74.5,65.96 75.21,65.96 C805.1@75.275,66.025 75.34,65.96 76.025,65.96 C807.1@76.05,65.935 76.84,65.935 77.091,65.684 77.091,65.134 U801.24@77.119,65.107 ; U801.44@80.619,58.106 80.629,58.096 80.629,56.911 C802.1@80.64,56.9 80.665,56.875 80.665,56.41 C801.1@80.875,56.2 v1(80.875,55.725) ; U801.17@80.619,65.107 80.619,65.819 v1(80.8,66) 80.841,66 80.913,65.928 80.972,65.928 81.119,65.781 U801.16@81.119,65.107
  Top Layer w0.3: U803.5@71.95,64.1 72.15,64.1 72.55,63.7 C819.1@73.3,63.7 v1(73.3,64.175)
  Bottom Layer w0.25: C808.1@80.55,65.34 80.55,65.75 v1(80.8,66) 80.829,65.971 81.454,65.971 C806.1@81.525,65.9
  other v1: 75.349,65.07 75.049,65.47 75.749,65.47
+VDD_3V3_HDMI: C323.1 C324.1 C325.1 C326.1 FB306.1 R310.2 R312.2 U302.3 U302.21 U302.46 | length 13
  Top Layer w0.15: C325.1@9.01,68.565 v1(9.01,68.914) 9.01,70.011 9.423,70.423 10.056,70.423 10.415,70.781 10.415,71.82 10.81,72.216 R310.2@10.86,72.216 ; v1(11.875,58.05) 11.892,58.068 11.892,58.408 C324.1@11.91,58.425 12.06,58.576 U302.21@12.06,59.796 ; R312.2@22.665,68 v1(23.025,68)
  Top Layer w0.25: C325.1@9.01,68.565 9.035,68.54 9.26,68.54 9.809,67.991 10.365,67.991 U302.3@10.375,67.981 ; U302.46@20.245,64.981 21.619,64.981 21.7,64.9 C326.1@22.135,64.9 22.175,64.86 C323.1@22.175,63.975 ; C323.1@22.45,63.8 23.072,63.178 23.072,62.928 v1(23.1,62.9) FB306.1@23.1,62.5
+VDD_3V3_LVDS: C307.1 C308.1 FB302.2 U301.13 | length 8
  Top Layer w0.25: U301.13@40,73.492 40.992,73.492 41.003,73.503 41.753,73.503 C308.1@42.05,73.206 43.1,73.206 C307.1@43.45,72.856 44.256,72.856 44.8,73.4 44.8,75.5 44.525,75.775 44.525,75.825 44.45,75.9 FB302.2@44.4,75.9